# Altium PCB Forno.PcbDoc (part 1 of 2) (continued)
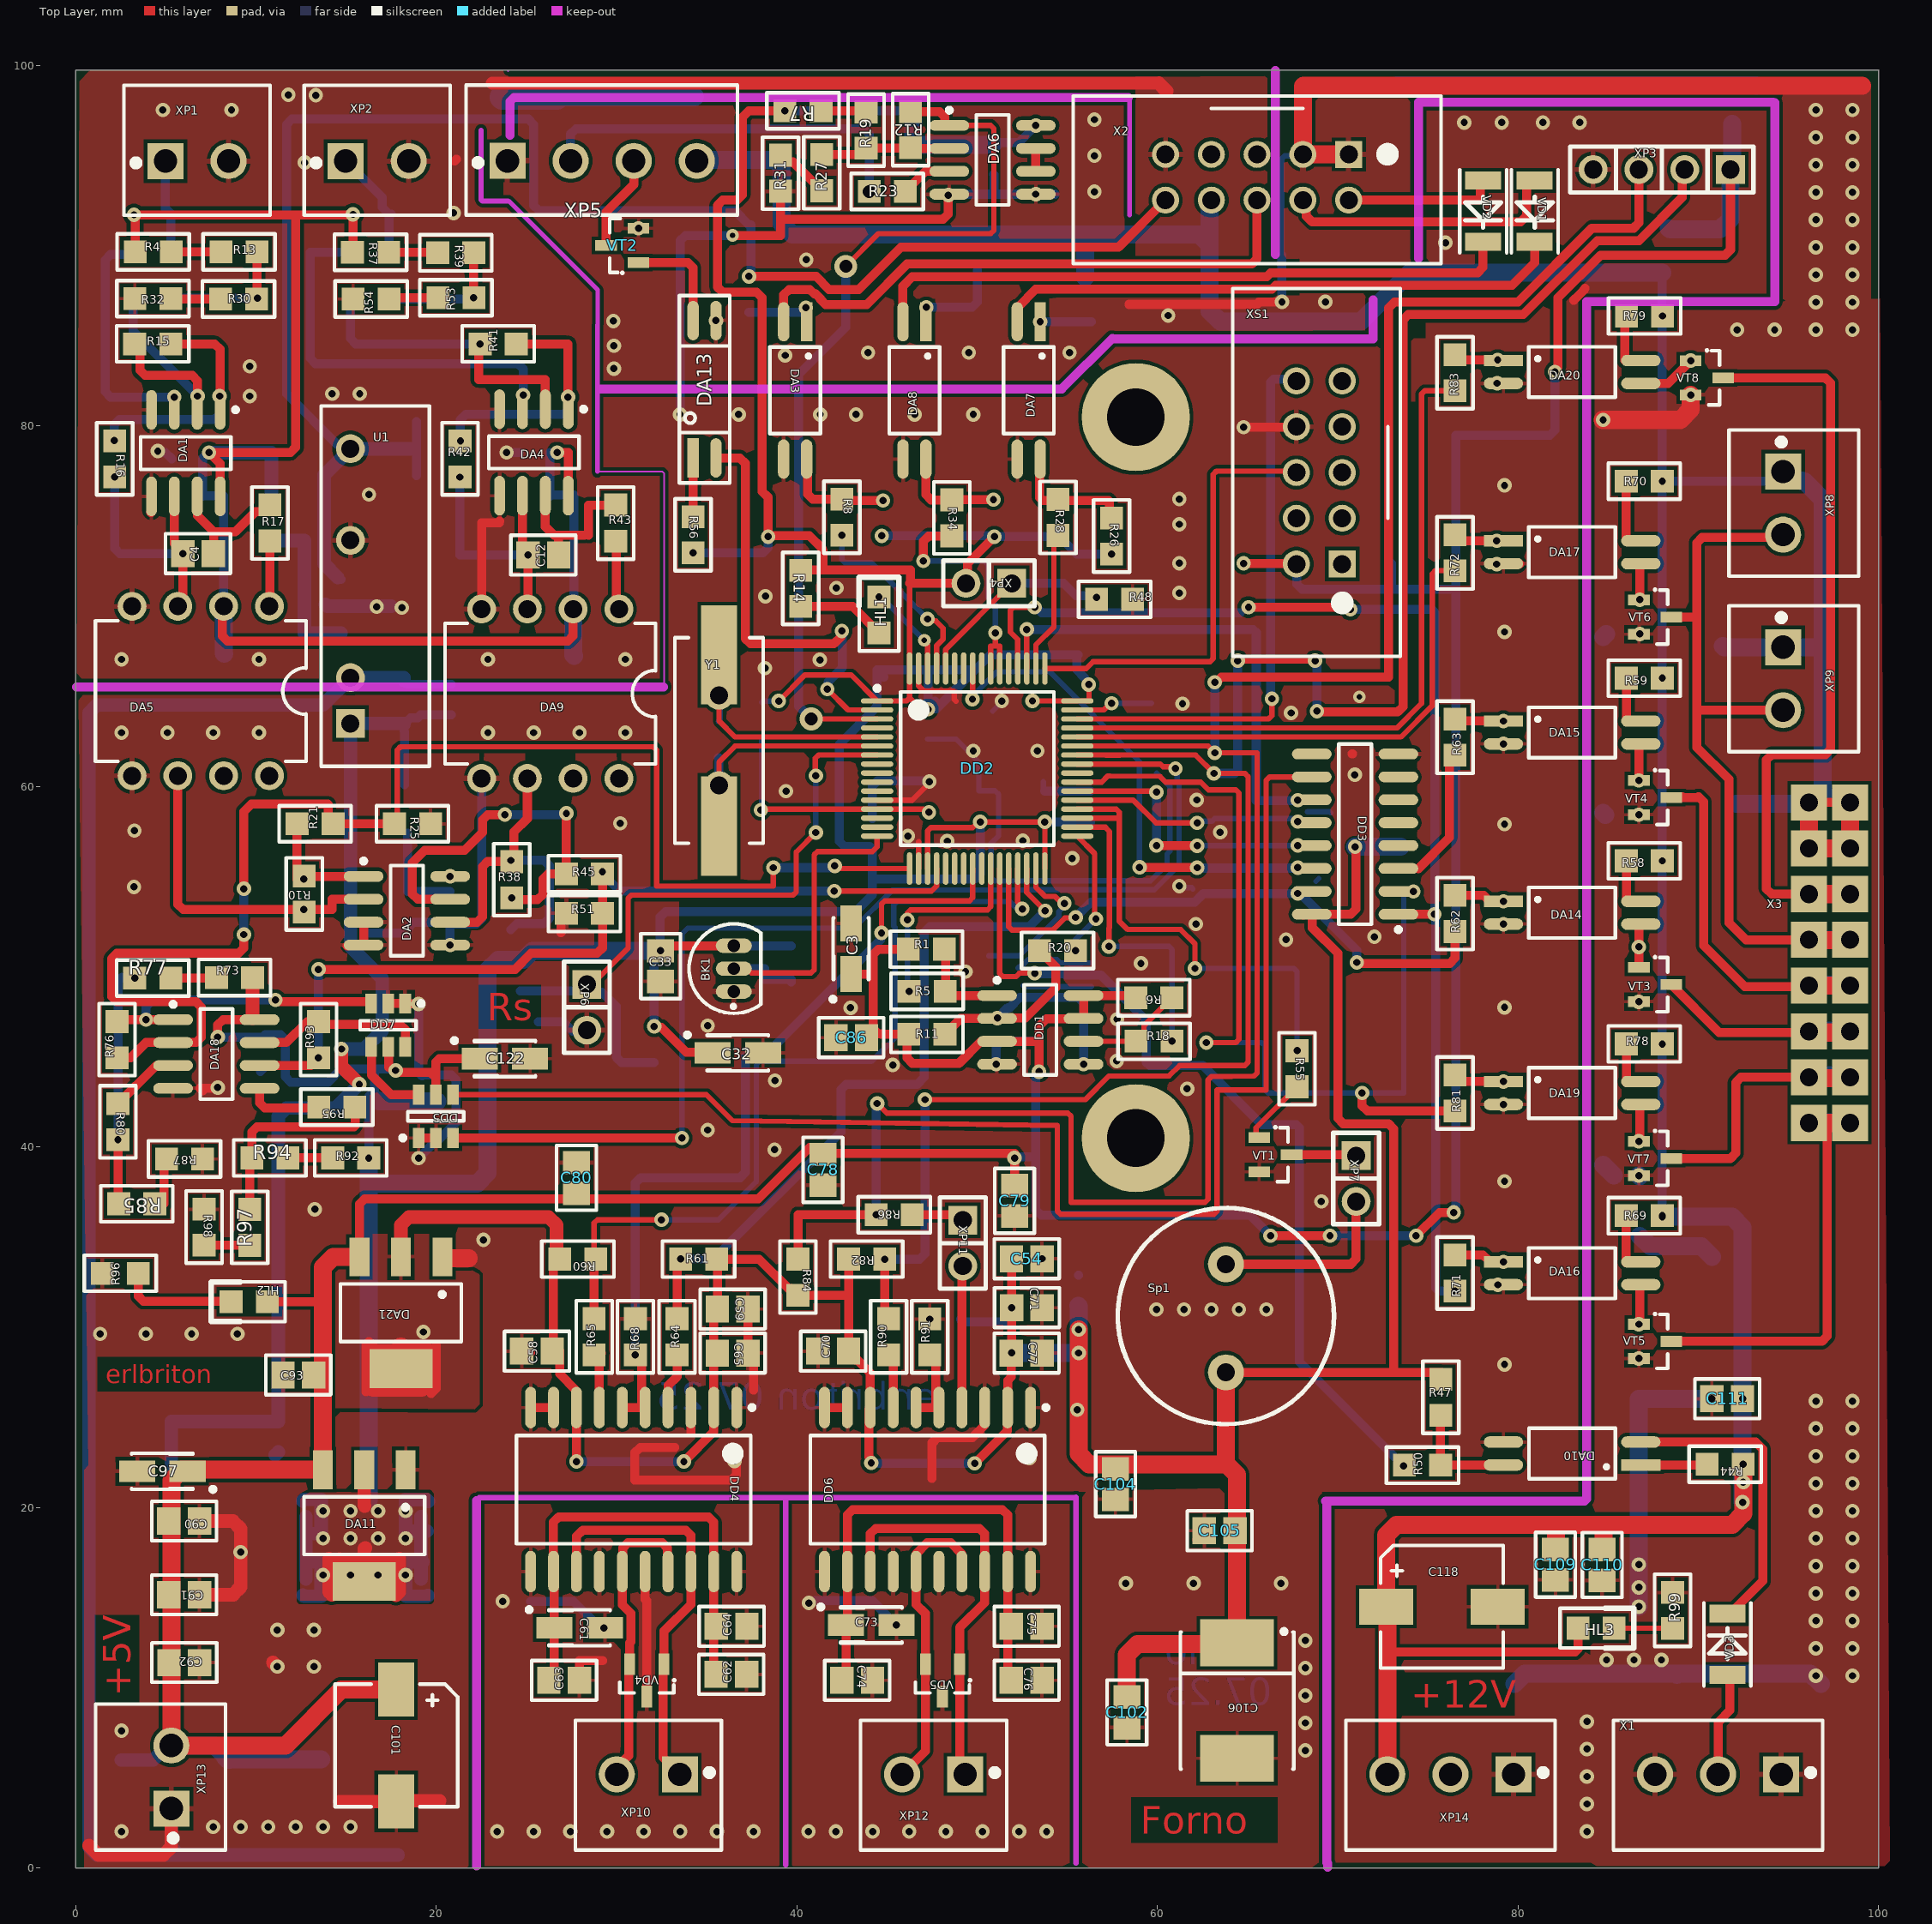
[diagram p0: Top Layer view]
## Footprints (in the part's own frame and the unit in brackets; to place one, negate y for a bottom-side part, rotate by r counter-clockwise, add the part's x,y. Pads: shape width x height; smd on the part's side, far side on the other; paste and mask are expansions set on the pad)
6.3D [mm]
  rect 3x2 smd: 1(-3.1,0) 2(3.1,0)
  silkscreen extent -3.4,-3.4 3.4,3.4, body extent -3.5,-3.3 3.5,3.3, height 5.4
15EDGVC-3.5-02P [mm]
  rect 2x2 hole 1.3: 1(-1.75,0)
  round 2 hole 1.3: 2(1.75,0)
  silkscreen extent -4.05,-3 4.05,4.2, body extent -3.9,-3 3.9,4.2, height 9.21
15EDGVC-3.5-03P-2 [mm]
  rect 2x2 hole 1.3: 1(-1.75,0)
  round 2 hole 1.3: 2(1.75,0) 3(5.25,0)
  silkscreen extent -4.05,-3 7.55,4.2, body extent -3.9,-6.34 7.4,4.77, height 18.12
15EDGVC-3.5-04P [mm]
  rect 2x2 hole 1.3: 1(0,0)
  round 2 hole 1.3: 2(3.5,0) 3(7,0) 4(10.5,0)
  silkscreen extent -2.3,-3 12.75,4.2, body extent -2.15,-6.34 12.6,4.77, height 18.12
0805 [mm]
  rect 1.27x1.27 smd: 1(-1,0) 2(1,0)
  silkscreen extent -2,-1 2,1, body extent -1,-0.6 1,0.6, height 0.95
cap0805 [mm]
  rect 1.3x1.5 smd: 1(-0.85,0) 2(0.85,0)
  silkscreen extent -1.8,-1.1 1.8,1.1, body extent -1,-0.62 1,0.63, height 0.61
DIP8 [mm]
  round 1.6 hole 1: 1(-3.81,-4.699) 2(-1.27,-4.699) 3(1.27,-4.699) 4(3.81,-4.699) 5(3.81,4.699) 6(1.27,4.699) 7(-1.27,4.699) 8(-3.81,4.699)
  silkscreen extent -5.84,-3.9 5.84,3.9, body extent -5.5,-5.2 5.5,5.2, height 4.64
IDC-10 [mm]
  rect 1.5x1.5 hole 1: 1(-5.08,-1.27)
  round 1.5 hole 1: 2(-5.08,1.27) 3(-2.54,-1.27) 4(-2.54,1.27) 5(0,-1.27) 6(0,1.27) 7(2.54,-1.27) 8(2.54,1.27) 9(5.08,-1.27) 10(5.08,1.27)
  silkscreen extent -10.2,-4.5 10.2,4.8, body extent -10.2,-4.45 10.2,4.9, height 9.35
Led0805 [mm]
  rect 1.27x1.27 smd: 1(-1,0) 2(1,0)
  silkscreen extent -2,-1.1 2.1,1.1, body extent -1.01,-0.62 1.01,0.62, height 1.11
LQFP64 [mm] "Thin QFP, 64-Leads, Body 10x10mm, Pitch 0.5mm, IPC Medium Density"
  oval 1.8x0.3 smd: 1(-5.55,3.75) 2(-5.55,3.25) 3(-5.55,2.75) 5(-5.55,1.75) 6(-5.55,1.25) 7(-5.55,0.75) 8(-5.55,0.25) 9(-5.55,-0.25) 10(-5.55,-0.75) 11(-5.55,-1.25) 12(-5.55,-1.75) 13(-5.55,-2.25) 14(-5.55,-2.75) 15(-5.55,-3.25) 16(-5.55,-3.75) 33(5.55,-3.75) 34(5.55,-3.25) 35(5.55,-2.75) 36(5.55,-2.25) 37(5.55,-1.75) 38(5.55,-1.25) 39(5.55,-0.75) 41(5.55,0.25) 42(5.55,0.75) 43(5.55,1.25) 44(5.55,1.75) 45(5.55,2.25) 46(5.55,2.75) 47(5.55,3.25) 48(5.55,3.75) " 40"(5.55,-0.25)
  oval 1.8x0.28 smd: 4(-5.55,2.25)
  oval 0.3x1.8 smd: 17(-3.75,-5.55) 18(-3.25,-5.55) 19(-2.75,-5.55) 20(-2.25,-5.55) 21(-1.75,-5.55) 22(-1.25,-5.55) 23(-0.75,-5.55) 24(-0.25,-5.55) 25(0.25,-5.55) 26(0.75,-5.55) 27(1.25,-5.55) 28(1.75,-5.55) 29(2.25,-5.55) 30(2.75,-5.55) 31(3.25,-5.55) 32(3.75,-5.55) 49(3.75,5.55) 50(3.25,5.55) 51(2.75,5.55) 52(2.25,5.55) 53(1.75,5.55) 54(1.25,5.55) 55(0.75,5.55) 56(0.25,5.55) 57(-0.25,5.55) 58(-0.75,5.55) 59(-1.25,5.55) 60(-1.75,5.55) 61(-2.25,5.55) 62(-2.75,5.55) 63(-3.25,5.55) 64(-3.75,5.55)
  silkscreen extent -5.67,-4.25 4.25,4.57, body extent -6,-6 6,6, height 1.6
Pl_connect [mm]
  rect 2x2 hole 1: 1(-1.143,0) 2(1.143,0) 3(-1.143,2.54) 4(1.143,2.54) 5(-1.143,5.08) 6(1.143,5.08) 7(-1.143,7.62) 8(1.143,7.62) 9(-1.143,10.16) 10(1.143,10.16) 11(-1.143,12.7) 12(1.143,12.7) 13(-1.143,15.24) 14(1.143,15.24) 15(-1.143,17.78) 16(1.143,17.78)
PLS2 [mm]
  rect 1.6x1.6 hole 1: 1(0,-1.27)
  round 1.6 hole 1: 2(0,1.27)
  silkscreen extent -1.27,-2.54 1.27,2.53, body extent -1.27,-2.54 1.27,2.54, height 8.54
PLS4 [mm]
  rect 1.6x1.6 hole 1: 1(0,-3.81)
  round 1.6 hole 1: 2(0,-1.27) 3(0,1.27) 4(0,3.81)
  silkscreen extent -1.27,-5.08 1.27,5.08, body extent -1.27,-5.08 1.27,5.08, height 8.44
res0805 [mm]
  rect 1.27x1.27 smd: 1(-1,0) 2(1,0)
  silkscreen extent -2,-1 2,1, body extent -1,-0.63 1,0.62, height 0.61
SIP7S [mm]
  rect 1.6x1.6 hole 1: 1(-7.62,1.778)
  round 1.6 hole 1: 2(-5.08,1.778) 3(2.54,1.778) 4(7.62,1.778)
  silkscreen extent -10,-2.6 10,3.4, body extent -10,-2.6 10,3.4, height 9.31
SO-8 [mm] "8-Pin Small Outline Integrated Circuit 1.27 mm Pitch, IPC Medium Density"
  oval 2.2x0.6 smd: 1(-2.4,1.905) 2(-2.4,0.635) 3(-2.4,-0.635) 4(-2.4,-1.905) 5(2.4,-1.905) 6(2.4,-0.635) 7(2.4,0.635) 8(2.4,1.905)
  silkscreen extent -2.52,-2.5 0.9,2.88, body extent -3,-2.45 3,2.45, height 1.6
SO-8_N [mm] "8-Pin Small Outline Integrated Circuit 1.27 mm Pitch, IPC Medium Density"
  oval 2.2x0.6 smd: 1(-2.4,1.905) 2(-2.4,0.635) 3(-2.4,-0.635) 4(-2.4,-1.905) 5(2.4,-1.905) 6(2.4,-0.635) 7(2.4,0.635) 8(2.4,1.905)
  silkscreen extent -2.52,-2.5 0.9,2.88, body extent -1.95,-2.45 1.95,2.45, height 1.75
SO-16 [mm] "16-Pin Small Outline Integrated Circuit 1.27 mm Pitch, IPC Medium Density"
  oval 2.2x0.6 smd: 1(-2.4,4.445) 2(-2.4,3.175) 3(-2.4,1.905) 4(-2.4,0.635) 5(-2.4,-0.635) 6(-2.4,-1.905) 7(-2.4,-3.175) 8(-2.4,-4.445) 9(2.4,-4.445) 10(2.4,-3.175) 11(2.4,-1.905) 12(2.4,-0.635) 13(2.4,0.635) 14(2.4,1.905) 15(2.4,3.175) 16(2.4,4.445)
  silkscreen extent -2.53,-5 0.9,5.42, body extent -3,-4.95 3,4.95, height 1.4
SO-20_N [mm] "20-Pin Small Outline Integrated Circuit (SOIC20), IPC Medium Density"
  oval 2.3x0.6 smd: 1(-4.55,5.715) 2(-4.55,4.445) 3(-4.55,3.175) 4(-4.55,1.905) 5(-4.55,0.635) 6(-4.55,-0.635) 7(-4.55,-1.905) 8(-4.55,-3.175) 9(-4.55,-4.445) 10(-4.55,-5.715) 11(4.55,-5.715) 12(4.55,-4.445) 13(4.55,-3.175) 14(4.55,-1.905) 15(4.55,-0.635) 16(4.55,0.635) 17(4.55,1.905) 18(4.55,3.175) 19(4.55,4.445) 20(4.55,5.715)
  silkscreen extent -4.67,-6.5 3,6.69, body extent -3.75,-6.4 3.75,6.4, height 2.65
SOD80 [mm]
  rect 1x2 smd: 1(-1.7,0) 2(1.7,0)
  silkscreen extent -2.3,-1.3 2.3,1.3, body extent -1.85,-0.8 1.85,0.8, height 1.6
SOP4 [mil] "SSOP4"
  rect 24.96x86 smd: 1(-25,-150)
  oval 24.96x86 smd: 2(25,-150) 3(25,150) 4(-25,150)
  silkscreen extent -55,-95 55,94, body extent -55,-138 55,138, height 83
SOT23 [mm]
  rect 1.2x0.6 smd: 1(-0.9,0.95) 2(-0.9,-0.95) 3(0.9,0)
  silkscreen extent 0,-1.5 0.7,1.53, body extent -1.25,-1.5 1.25,1.5, height 1.06
SOT23-6 [mm] "SOT23, 5-Leads, Body 2.9x1.6mm, Pitch 0.95mm, Lead Span 2.8mm, IPC Medium Density"
  rect 1.1x0.65 smd: 1(-1.2,0.95) 2(-1.2,0) 3(-1.2,-0.95) 4(1.2,-0.95) 5(1.2,0) 6(1.2,0.95)
  silkscreen extent -1.32,-1.55 0.25,1.95, body extent -1.21,-1.4 1.21,1.4, height 1.09
SOT89 [mm] "SOT-89; Body 4.6 x 4.25 mm, inc. leads (LxW max)"
  oct 1.9x3.3 smd: 0(0,1.388)
  rect 0.7x1.35 smd: 1(-1.5,-1.388) 3(1.5,-1.388)
  rect 0.7x1.8 smd: 2(0,-1.162)
  silkscreen extent -2.5,-2.51 2.5,3.49, body extent -2.25,-1.51 2.25,2.49, height 1.51
SOT223 [mm] "SOT-223/SC-73; 4 Leads; Body 6.7 x 7.3 mm, inc. leads (LxW max)"
  rect 1.1x2.15 smd: 1(-2.3,-3.1) 2(0,-3.1) 3(2.3,-3.1)
  rect 3.5x2.15 smd: 4(0,3.1)
  silkscreen extent -3.35,-1.6 3.35,1.6, body extent -3.25,-3.48 3.25,3.48, height 1.69
Speaker [mm]
  round 2 hole 1: 1(0,3) 2(0,-3)
  silkscreen extent -6,-5.87 5.99,6.13
TC3216-1206-A [mm] "Capacitor, SM Tantalum; Body 3.2 x 1.6 mm (LxW typ)"
  rect 2x1.2 smd: 1(-1.4,0) 2(1.4,0)
  silkscreen extent -2.93,-1 1.7,1.12, body extent -1.6,-0.8 1.6,0.8, height 1.62
TC7360-2924-E [mm] "Capacitor, SM Tantalum; Body 7.3 x 6.0 mm (LxW typ)"
  rect 2.6x4.1 smd: 1(-3.2,0) 2(3.2,0)
  silkscreen extent -3.95,-3.15 3.8,3.15, body extent -3.65,-2.15 3.65,2.15, height 4.12
TO-92 [mm]
  oval 2x0.8 hole 0.7: 1(0,-1.27) 2(0,0) 3(0,1.27)
  silkscreen extent -2.48,-2.48 1.5,2.48, body extent -2.22,-2.38 1.41,2.38, height 5.74
XT49M [mm]
  round 1.6 hole 1: 1(2.5,0) 2(-2.5,0)
  rect 5.5x2 smd: 1(4.75,0) 2(-4.75,0)
  silkscreen extent -5.7,-2.45 5.7,2.45, body extent -6.4,-2.41 6.4,2.41, height 4.31

## Part data
BK1: "Датчик Далласа", Package=TO-92, Group=Микросхемы, HelpURL=\DATA\DS18B20.pdf, NPads=3, Part Number=DS18B20, SType=TH, ValueSCH=DS18B20
C1 C3 C5 C7 C9 C14 C23 C27 C28 C30 C32 C34 C60 C61 C72 C73 C97 C107 C108 C119 C121 C122 C123: library part capA, "Танталовый конденсатор, SMD", Package="SMD A", Group=Конденсаторы, NPads=2, Part Number=capA, SType=SMD
  C1 C3 C5 C9 C14 C23 C27 C28 C30 C32 C34 C60 C61 C72 C73 C97 C107 C108 C119 C121 C122 C123: ValueSCH=6.8uF
  C7: ValueSCH=6,8uF
C2 C4 C6 C8 C10 C11 C12 C13 C15 C16 C17 C18 C19 C20 C21 C22 C24 C25 C26 C29 C31 C33 C35 C36 C37 C38 C39 C40 C41 C42 C43 C44 C45 C46 C47 C48 C49 C50 C51 C52 C53 C54 C55 C56 C57 C58 C59 C62 C63 C64 C65 C66 C67 C68 C69 C70 C71 C74 C75 C76 C77 C78 C79 C80 C81 C82 C83 C84 C85 C86 C87 C88 C89 C90 C91 C92 C93 C94 C95 C96 C98 C99 C100 C102 C103 C104 C105 C109 C110 C111 C112 C113 C114 C115 C116 C117 C120: library part cap0805, "Керамический конденсатор, SMD", Package="SMD 0805", Group=Конденсаторы, NPads=2, Part Number=cap0805, SType=SMD
  C2 C4 C10 C12: ValueSCH=100pF
  C6 C18 C19 C20 C21 C22 C25 C33 C36 C37 C38 C39 C40 C41 C42 C43 C44 C45 C46 C47 C48 C49 C50 C51 C52 C53 C54 C55 C56 C57 C58 C59 C62 C63 C66 C67 C68 C69 C70 C71 C74 C75 C78 C79 C80 C81 C82 C83 C84 C85 C86 C87 C88 C89 C90 C91 C92 C93 C95 C96 C98 C100 C102 C105 C109 C110 C111 C112 C113 C114 C115 C116 C117: ValueSCH=100n
  C8 C24 C26 C29 C31 C35 C120: ValueSCH=0.1uF
  C11 C13: ValueSCH="20 pF"
  C15 C16: ValueSCH=2.2uF
  C17: ValueSCH="100 nF"
  C64 C65 C76 C77 C94 C99 C103 C104: ValueSCH=10n
C101 C118: library part UCD1V101MCL6GS, "Алюминиевый конденсатор 6.3mm", Package="Can - SMD", Group=Конденсаторы, NPads=2, Part Number=UCD1V101MCL6GS, SType=SMD, ValueSCH=220uF
C106: library part capE, "Танталовый конденсатор, SMD", Package="SMD E", Group=Конденсаторы, NPads=2, Part Number=capE, SType=SMD, ValueSCH=100uF
DA1 DA2 DA4 DA6 DA18: "Операционный усилитель 2 в 1", Package=SO-8, Group=Микросхемы, NPads=8, Part Number=AD8602ARZ, SType=SMD, ValueSCH=AD8602ARZ
DA3 DA7 DA8 DA10 DA13 DA14 DA15 DA16 DA17 DA19 DA20: "Оптопара", Package=SOP4, Group=Микросхемы, HelpURL=\DATA\PS2801.pdf, NPads=4, Part Number=PS2801, SType=SMD, ValueSCH=PS2801
DA5 DA9: "Аналоговый оптрон прецизионный", Package=SOP-8, Group=Микросхемы, NPads=8, Part Number=HCNR200-000E, SType=TH, ValueSCH=HCNR200-000E
DA11 DA21: "Линейный стабилизатор 3.3V", Package=SOT223, Analog=SPX1117M3L-3.3, Group=Микросхемы, HelpURL=\DATA\LM1117.pdf, NPads=4, Part Number=LM1117MP-3.3, SType=SMD, ValueSCH=LM1117MP-3.3
DA12: "Линейный стабилизатор 3.3V", Package=SOT89, Group=Микросхемы, NPads=4, Part Number=L78L33ACUTR, SType=SMD, ValueSCH=L78L33ACUTR
DD1: library part FM25040S
DD2: "Микроконтроллер 32 бит CORTEX M4", Package=LQFP64, Group=Микросхемы, NPads=64, Part Number=STM32F405RGT6, SType=SMD, ValueSCH=STM32F405RGT6
DD3: "3-х разрядный сдвиговый регистр", Package=SO-16, Group=Микросхемы, NPads=16, Part Number=MC74HC595AD, SType=SMD, ValueSCH=MC74HC595AD
DD4 DD6: "Трансивер RS-485 / RS-422", Package=SO-20, Group=Микросхемы, HelpURL=\DATA\ADM2587E.pdf, NPads=20, Part Number=ADM2587E, SType=SMD, ValueSCH=ADM2587E
DD5 DD7: library part SN74LVC1G11DBVR, "Блок одиночный 3И", Package=SOT23-6, Group=Микросхемы, NPads=6, Part Number=SN74LVC1G11DBVR, SType=SMD, ValueSCH=SN74LVC1G97
HL1: "SMD светодиод зеленый", Package="SMD 0805", Group=Диоды, NPads=2, Part Number=KP-2012SGC, SType=SMD, ValueSCH=KP-2012SGC
HL2 HL3: "SMD светодиод красный", Package="SMD 0805", Group=Диоды, NPads=2, Part Number=KP-2012SRC, SType=SMD, ValueSCH=KP-2012SRC
L1 L2 L3: library part L0805, "Чип-индуктивность, SMD", Package="SMD 0805", NPads=2, Part Number=L0805, SType=SMD, ValueSCH=0.47uH
  L1: Group=Индукивности
  L2 L3: Group=Индуктивности
R1 R2 R3 R4 R5 R6 R7 R8 R9 R10 R11 R12 R13 R14 R15 R16 R17 R18 R19 R20 R21 R22 R23 R24 R25 R26 R27 R28 R29 R30 R31 R32 R33 R34 R35 R36 R37 R38 R39 R40 R41 R42 R43 R44 R45 R46 R47 R48 R49 R50 R51 R52 R53 R54 R55 R56 R57 R58 R59 R60 R61 R62 R63 R64 R65 R66 R67 R68 R69 R70 R71 R72 R73 R74 R75 R76 R77 R78 R79 R80 R81 R82 R83 R84 R85 R86 R87 R88 R89 R90 R91 R92 R93 R94 R95 R96 R97 R98 R99: library part res0805, "Резистор 0.125 W, SMD", Package="SMD 0805", Group=Резисторы, NPads=2, Part Number=res0805, SType=SMD
  R1 R6 R11 R57 R60 R61 R68 R82 R84 R91: ValueSCH=4.7k
  R2 R3 R26 R29 R33 R35 R36 R44 R47 R58 R59 R66 R67 R69 R70 R74 R75 R78 R79 R88 R89: ValueSCH=1k
  R4 R37: ValueSCH=4k
  R5 R17 R18 R20 R43 R64 R65 R86 R90: ValueSCH=100
  R7 R19 R27 R73 R77 R85 R92 R94 R97: ValueSCH=2.4k
  R8 R9 R28 R34 R50 R96: ValueSCH=470
  R10 R38: ValueSCH=150k
  R13 R39: ValueSCH=600
  R14: ValueSCH=300
  R15 R41: ValueSCH=51k
  R16 R42: ValueSCH=100k
  R22 R24 R46 R49: ValueSCH=10k
  R23 R80 R95: ValueSCH=39k
  R30 R53: ValueSCH=7.5k
  R31 R87 R98: ValueSCH=3.3k
  R32 R54: ValueSCH=0
  R40: ValueSCH=1M
  R48 R52: HelpURL=C:\intmash\DBLIB2\DATASHEETS\Resistors\passive09-resistors-smd.pdf, ValueSCH=10k
  R55: HelpURL=C:\intmash\DBLIB2\DATASHEETS\Resistors\passive09-resistors-smd.pdf, ValueSCH=1k
  R56 R62 R63 R71 R72 R81 R83: ValueSCH=330
  R99: ValueSCH=2k
U1: "Преобразователь 1Вт 5В ->5В", Package=SIP7, Group=Микросхемы, NPads=4, Part Number=AM1D-0505SH30N, SType=TH, ValueSCH=AM1D-0505SH30N
VD1 VD2 VD3: library part TZMC13, "Стабилитрон 13V", Package=SOD80, Analog="ZMM13, BZV55C13", Group=Диоды, HelpURL=\DATA\tzmc13.pdf, NPads=2, Part Number=TZMC13, SType=SMD, ValueSCH=TZMC4V7
VD4 VD5: "TVS диодная сборка 2 в 1", Package=SOT23-3, Analog=F6450CT-ND, Group=Диоды, NPads=3, Part Number=SM712-02HTG, SType=SMD, ValueSCH=SM712-02HTG
VT1 VT2 VT3 VT4 VT5 VT6 VT7 VT8: "N-канальный MOSFET 30В 1.2А", Part Number=IRLML2803TR, ValueSCH=IRLML2803TR
X1 XP14: "Вилка на плату 3 конт. шаг 3.5мм", Group=Разъемы, NPads=3, Part Number=15EDGVC-3.5-03P, SType=TH, ValueSCH=15EDGVC-3.5-03P
X2 XS1: "Вилка на плату 5х2 контактов шаг 2.54мм", Group=Разъемы, NPads=10, Part Number=IDC-10, SType=TH, ValueSCH=IDC-10
X3: "Розетка на плату 8х2 контактов.2,54 х 2,54 мм", Group=Разъемы, NPads=16, Part Number=PBD-16, SType=TH, ValueSCH=PBD-16
XP1 XP2 XP8 XP9 XP10 XP12 XP13: "Вилка на плату 2 конт. шаг 3.5мм", Group=Разъемы, NPads=2, Part Number=15EDGVC-3.5-02P, SType=TH, ValueSCH=15EDGVC-3.5-02P
  XP8 XP9: AddToBOM=15EDGK-3.5-02P
XP3: "Однорядный штыревой разъем 4 шаг 2.54мм", ValueSCH=PLS-4
XP4 XP6 XP7 XP11: "Однорядный штыревой разъем 2 шаг 2.54мм", ValueSCH=PLS-2
  XP11: Group=Разъемы, NPads=2, Part Number=PLS-2, SType=TH
XP5: "Вилка на плату 4 конт. шаг 3.5мм", Group=Разъемы, NPads=4, Part Number=15EDGVC-3.5-04P, SType=TH, ValueSCH=15EDGVC-3.5-04P
Y1: library part HC-49/U-S, "Кварцевый осциллятор 3.2 - 60 MHz", Group=Резонаторы, HelpURL=\DATA\HC-49.pdf, NPads=2, Part Number=HC-49/U-S, SType=TH, ValueSCH=8MHz

## Free pads (board coordinates)
  round 6 hole 3.2: ""(58.8,40.5) ""(58.8,80.5)

## Via types
v1: diameter 0.8, hole 0.4, Top Layer to Bottom Layer, tented both sides, 419 vias
v2: diameter 1.27, hole 0.711, Top Layer to Bottom Layer, tented both sides, 3 vias
v3: diameter 0.7, hole 0.3, Top Layer to Bottom Layer, tented both sides, 3 vias

## Nets (pads, with @x,y where several pads share a name; then routed paths per layer and width w, separated by ;. In a path a pad name is that pad's centre, name@x,y a point inside that pad or via, vN(x,y) a via of type N, cw(c..) or ccw(c..) an arc to the next point about the centre after c; other vN are vias at no path point)
3.3AV: C1.1 C9.1 C28.1 C29.2 C34.1 C35.2 DA1.8 DA4.8 DA5.2 DA9.2 L3.2 R3.2 R4.2 R36.2 R37.2 | length 94.7
  Top Layer w0.5: R4.2@3.293,89.662 3.293,91.571 3.226,91.638 v1(3.226,91.719) 15.348,91.719 v1(15.374,91.745) 15.374,89.459 R37.2@15.399,89.459 ; DA1.8@8.005,76.1 8.005,77.923 v1(7.391,78.537) 11.899,78.537 12.192,78.83 12.192,91.44 ; DA5.2@8.2,69.998 8.128,69.926 8.128,68.365 8.421,68.072 27.295,68.072 27.588,68.365 DA9.2@27.588,69.85 ; v1(26.698,78.537) 27.315,78.537 DA4.8@27.315,76.137
  Bottom Layer w0.5: C29.2@7.022,76.098 C29.2@7.022,76.124 ; v1(7.391,78.537) 7.372,78.537 7.022,78.187 C29.2@7.022,76.124 ; DA5.2@8.2,69.998 8.2,76.124 C29.2@7.022,76.124 ; L3.2@10.77,75.651 L3.2@10.846,75.651 ; C35.2@26.301,76.098 C35.2@26.301,76.175 ; v1(26.698,78.537) 26.301,78.537 C35.2@26.301,76.175 ; DA9.2@27.588,69.85 27.635,69.85 27.635,76.175 C35.2@26.301,76.175
  Bottom Layer w0.75: C28.1@7.471,78.527 10.846,78.527 L3.2@10.846,75.651
  Bottom Layer w1: DA5.2@8.2,69.998 8.2,67.393 C9.1@8.233,67.361 ; DA9.2@27.588,69.85 27.588,67.288 C1.1@27.632,67.244
3.3V: BK1.3 C7.1 C8.1 C19.1 C20.1 C21.1 C22.1 C32.1 C33.1 C36.2 C37.2 C38.2 C39.2 C40.2 C41.2 C42.2 C43.2 C44.2 C45.1 C46.1 C47.1 C48.1 C49.1 C50.1 C51.1 C119.1 C120.1 C121.1 C122.1 C123.1 DA6.8 DA11.2 DA11.4 DA18.8 DD2.1 DD2.19 DD2.32 DD2.48 DD2.64 DD5.5 DD7.5 L1.1 R2.2 R7.2 R14.1 R26.2 R33.2 R52.1 R56.2 R57.2 R73.2 R92.2 XP4.2 | length 305.6
  Top Layer w0.3: v1(38.989,64.745) 40.437,66.192 43.008,66.192 DD2.1@44.45,64.75 46.078,64.75 46.253,64.926 ; 46.25,71.272 DD2.64@46.25,66.55 46.25,65.133 46.253,65.13 46.253,64.926 ; DD2.19@47.25,55.45 47.25,57.547 47.426,57.722 49.739,57.722 50.056,58.039 v1(50.165,58.039) v1(53.746,58.039) 53.75,58.035 DD2.32@53.75,55.45 ; v1(47.269,64.287) 47.174,64.383 46.796,64.383 46.253,64.926 ; v1(53.066,64.75) DD2.48@55.55,64.75 56.204,64.75 56.204,65.64 v1(56.185,65.659)
  Top Layer w0.5: v1(7.874,46.104) 7.874,46.773 8.167,47.066 DA18.8@10.198,47.066 ; DD7.5@17.323,45.561 17.362,45.523 17.362,44.438 17.399,44.4 17.512,44.4 17.662,44.25 v1(17.743,44.25) ; v1@17.654,44.145 19.672,44.145 19.964,43.852 ; DD5.5@19.964,42.907 19.964,43.852 ; C122.1@22.4,44.907 20.168,44.907 19.964,44.704 19.964,43.852 ; v1(32.08,46.695) 32.138,46.637 32.484,46.637 33.863,45.258 35.285,45.258 C32.1@35.321,45.222 ; C33.1@32.436,50.659 32.536,50.659 33.046,51.17 BK1.3@36.5,51.17 ; v1(38.405,73.863) 38.405,76.048 38.075,76.378 38.075,87.122 37.77,87.427 35.878,87.427 35.585,87.72 35.585,92.239 35.878,92.532 36.678,92.532 36.982,92.837 36.982,97.13 37.338,97.485 v1(39.335,97.485) ; v1@38.659,73.923 40.691,73.923 41.409,73.205 41.409,73.118 41.437,73.09 41.437,72.048 41.463,72.022 ; R14.1@40.208,71.993 40.238,72.022 41.463,72.022 ; v1(50.952,73.863) 49.466,72.376 49.466,71.36 XP4.2@49.378,71.272 46.25,71.272 46.308,71.33 46.308,72.022 41.463,72.022
  Top Layer w0.75: DA18.8@9.804,47.141 R73.2@9.804,49.403 ; 14.05,17.175 14.05,16.256 14.05,15.312 14.199,15.164 ; 14.63,17.145 14.707,17.069 16,17.069 ; DA11.4@16,15.9 16,17.069 ; DA11.2@16,22.1 16,20.119 16.027,20.091 ; 16.053,17.755 16,17.702 16,17.069 ; 17.424,17.12 17.399,17.12 17.348,17.069 16,17.069 ; 17.755,15.138 17.95,15.334 17.95,16.256 17.95,17.175
  Bottom Layer w0.3: L1.1@38.049,64.668 38.125,64.745 v1(38.989,64.745) ; C36.2@55.524,67.248 C36.2@55.587,67.31 ; 55.96,66.036 55.96,66.019 56.185,65.794 v1(56.185,65.659)
  Bottom Layer w0.5: v1(7.874,46.104) C120.1@10.372,46.104 ; C120.1@10.414,46.062 C120.1@10.372,46.104 ; v1(16.249,39.395) 16.249,42.809 16.573,43.133 16.573,44.247 ; v1(17.743,44.25) 17.685,44.308 17.473,44.308 17.446,44.335 14.72,44.335 13.989,43.604 11.907,43.604 11.614,43.897 11.614,45.968 11.354,46.228 10.496,46.228 C120.1@10.372,46.104 ; v1(32.08,46.695) 32.08,50.451 v1@32.436,50.807 ; v1(32.436,50.888) 32.42,50.904 32.42,52.768 32.713,53.061 43.246,53.061 44.175,53.99 C40.2@44.175,56.519 44.026,56.667 42.635,56.667 42.342,56.96 42.342,62.332 44.45,64.44 C37.2@44.45,66.458 ; v1(34.239,72.965) 38.112,72.965 38.394,73.247 38.394,73.853 v1(38.405,73.863) ; BK1.3@36.5,51.17 39.675,51.17 R57.2@39.675,51.165 ; v1(39.335,97.485) 46.66,97.485 ; 44.463,54.864 49.872,54.864 50.165,55.157 v1(50.165,58.039) ; v1(44.704,73.914) R2.2@44.755,73.914 50.902,73.914 v1(50.952,73.863) 54.559,73.863 55.524,72.898 v1(57.455,72.898) ; C37.2@44.834,66.074 C37.2@44.45,66.458 ; C19.1@47.244,64.338 C19.1@47.644,64.738 ; v1(47.269,64.287) 47.269,66.397 47.346,66.474 47.269,66.474 ; C19.1@47.714,64.3 50.724,67.31 C36.2@55.587,67.31 ; 49.689,66.474 47.269,66.474 ; C8.1@50.902,95.668 50.964,95.731 52.309,95.731 v1(53.251,96.672) ; v1(53.746,58.039) 56.294,58.039 C42.2@56.296,58.041 ; C36.2@55.524,67.248 55.524,66.472 55.96,66.036 ; C37.2@44.45,66.458 C37.2@44.434,66.474 47.269,66.474
  Bottom Layer w0.75: 12.573,20.371 12.659,20.457 13.613,20.457 13.613,18.405 13.716,18.302 v1(13.716,18.288) 13.702,18.288 13.433,18.557 12.763,18.557 ; 12.598,15.138 12.659,15.077 13.613,15.077 13.613,16.027 13.613,16.977 12.763,16.977 ; C43.2@12.763,16.027 12.763,16.977 ; C44.2@12.763,19.507 12.763,18.557 ; v1(18.288,18.288) 18.288,18.694 ; 18.302,20.457 18.288,20.444 ; C51.1@19.152,16.027 19.152,16.977 ; C50.1@19.152,19.507 19.152,18.694 ; 19.252,16.977 19.152,16.977 ; 19.489,18.694 19.152,18.694 ; 19.533,15.113 19.497,15.077 18.302,15.077 18.302,16.977 19.152,16.977 ; 19.558,20.345 19.46,20.444 18.288,20.444 ; 12.763,16.977 12.763,18.557 ; 18.288,18.694 v1(18.288,19.812) 18.288,20.444 ; 18.288,18.694 19.152,18.694 ; 19.152,16.977 19.152,18.694
  Bottom Layer w1: 16.215,20.396 16.249,20.431 16.249,37.973 ; v1(16.249,39.395) 16.249,37.973 ; 16.708,42.619 16.785,42.542 C121.1@20.043,42.542 ; v1@32.436,50.759 32.436,50.807 v1(32.436,50.888) 25.338,50.888 24.844,50.394 23.43,50.394 22.844,49.808 22.844,38.559 22.259,37.973 16.249,37.973 ; 46.457,96.977 46.457,95.634 C7.1@46.482,95.609 50.842,95.609 C8.1@50.902,95.668
  other v1: 13.716,16.256 15.24,16.256 16.764,16.256 18.288,16.256 15.24,18.288 16.764,18.288 13.716,19.812 15.24,19.812 16.764,19.812
3.3VAC: C18.2 DD2.13 L1.2 | length 13.4
  Top Layer w0.3: v1@37.998,58.75 DD2.13@44.45,58.75 47.007,58.75 47.185,58.572 v1(47.32,58.572)
  Bottom Layer w0.3: v1@38.049,58.699 L1.2@38.049,62.668
  other v1: 37.998,58.699
5AV: C30.1 C31.2 DA12.3 R9.2 U1.4 X2.10 | length 93.6
  Top Layer w0.5: v1(37.338,88.3) 41.057,88.3 41.777,87.579 43.414,87.579 45.766,89.931 57.843,89.931 X2.10@60.445,92.533
  Bottom Layer w0.5: DA12.3@14.524,71.602 14.624,71.502 DA12.3@14.72,71.502 ; U1.4@15.234,78.74 15.024,78.95 14.522,78.95 11.684,81.788 11.684,96.735 11.977,97.028 25.107,97.028 25.4,96.735 25.4,92.241 25.693,91.948 36.56,91.948 37.338,91.17 ; C30.1@18.898,77.241 C31.2@18.898,80.239 ; R9.2@37.44,88.3 37.44,91.17
  Bottom Layer w0.75: DA12.3@14.524,71.602 13.781,72.345 13.781,77.287 U1.4@15.234,78.74 18.593,78.74
5V: C3.1 C14.1 C25.1 C26.2 C27.1 C78.2 C79.2 C80.2 C81.2 C82.2 C83.2 C84.2 C85.2 C86.2 C87.2 C88.2 C89.2 C90.2 C91.2 C92.2 C93.2 C94.2 C95.2 C96.2 C97.1 C98.1 C99.1 C100.1 C101.1 DA11.3 DA21.3 DD1.3 DD1.7 DD1.8 HL2.1 L2.1 R1.1 R6.2 R11.1 U1.1 XP3.1 XP13.2 XS1.2 | length 341.3
  Top Layer w0.5: HL2.1@10.617,31.42 13.522,31.42 13.7,31.242 ; DA21.3@15.734,33.91 15.734,36.842 16.027,37.135 37.858,37.135 40.703,39.98 41.437,39.98 41.767,39.649 52.07,39.649 v1(52.07,39.395) C79.2@52.07,37.87 ; C3.1@43,49.6 44.071,49.6 44.221,49.75 ; R1.1@46.184,50.978 44.514,50.978 44.221,50.685 44.221,49.75 ; v1(53.426,44.184) 53.426,45.865 ; R6.2@58.792,48.285 58.672,48.405 DD1.8@55.9,48.405 DD1.7@55.9,47.135 55.882,47.117 53.836,47.117 53.543,46.824 53.426,46.707 53.426,45.865 ; v1(64.78,72.378) 67.688,72.378 XS1.2@67.73,72.42 ; v1(66.269,35.077) v1(69.571,35.077) ; v1(74.346,35.077) 75.641,36.373 v1(76.429,36.373) ; v1(82.042,83.007) 82.042,83.088 82.22,83.266 82.22,87.122 84.582,89.484 91.49,89.484 91.783,89.777 XP3.1@91.783,94.23 ; 44.221,49.75 44.221,46.572 44.514,46.279 44.653,46.279 44.679,46.253 R11.1@46.209,46.253 46.101,46.145 46.101,44.946 46.394,44.653 48.997,44.653 50.189,45.846 51.081,45.846 DD1.3@51.1,45.865 53.426,45.865
  Top Layer w0.75: v1(14.732,45.441) 14.742,45.431 14.742,44.48 15.723,43.498 v1(15.723,43.485)
  Top Layer w1: DA21.3@15.734,33.91 14.286,33.91 13.7,33.324 13.7,31.242 DA11.3@13.7,22.1 5.886,22.1 5.3,21.514 XP13.2@5.3,6.8 11.626,6.8 14.733,9.907 C101.1@17.78,9.907
  Bottom Layer w0.5: L2.1@18.237,60.106 18.237,63.037 C27.1@18.212,63.062 18.212,63.462 18.562,63.812 18.962,63.812 19.12,63.971 C26.2@20.828,63.971 ; v1(52.07,39.395) 52.127,39.453 53.137,39.453 ; C87.2@53.25,43.764 53.25,36.513 53.543,36.22 65.126,36.22 v1(66.269,35.077) ; XS1.2@67.73,72.42 67.73,71.235 68.023,70.942 76.225,70.942 ; v1(69.571,35.077) v1(74.346,35.077) ; 72.973,71.12 72.973,72.367 C88.2@72.984,72.378 ; v1(76.429,36.373) 76.486,36.43 76.486,36.642 76.556,36.712 76.556,79.477 81.749,79.477 82.042,79.769 v1(82.042,83.007)
  Bottom Layer w0.75: C98.1@2.515,5.993 4.283,5.993 5.091,6.8 XP13.2@5.3,6.8 5.3,24.777 C25.1@11.227,24.777 11.227,41.707 11.684,42.164 14.402,42.164 v1(15.723,43.485) ; v1(14.732,45.441) 15.977,45.441 16.993,46.457 16.993,49.352 15.234,51.111 U1.1@15.234,63.5 18.212,63.5 C27.1@18.212,63.462
  Bottom Layer w1: XP13.2@5.3,6.8 7.699,6.8 8.284,6.214 8.284,6.156 8.434,6.006 C94.2@8.534,6.006 ; C94.2@8.534,6.032 C96.2@11.074,6.032 C95.2@13.614,6.032 ; C14.1@88.37,90.957 88.42,90.907 91.197,90.907 91.783,91.492 XP3.1@91.783,94.23 ; XP3.1@91.869,94.316 C85.2@91.869,96.758
12V: C107.1 C108.1 C109.1 C110.1 C111.1 C112.1 C113.1 C114.1 C115.1 C116.1 C117.1 C118.1 HL3.1 R29.2 R35.2 R44.1 R58.2 R59.2 R69.2 R70.2 R78.2 R79.2 X2.8 X3.13 X3.14 X3.15 X3.16 XP5.4 XP8.1 XP9.1 XP14.3 | length 239.7
  Top Layer w0.5: 72.75,11.989 83.152,11.989 83.328,12.165 HL3.1@83.328,13.31 ; X3.15@96.132,59.116 X3.16@98.418,59.116
  Top Layer w1: XP14.3@72.75,5.2 72.75,11.989 72.75,14.428 C118.1@72.678,14.5 72.678,18.464 73.264,19.05 82.103,19.05 ; C109.1@82.077,17.678 82.103,17.704 82.103,19.05 ; C110.1@84.668,17.665 84.744,17.741 84.744,19.05 ; v1(92.491,22.403) v1(92.491,21.403) 92.491,19.671 91.87,19.05 84.744,19.05 ; X3.15@96.132,59.116 X3.13@96.132,56.576 X3.14@98.418,56.576 X3.16@98.418,59.116 ; 82.103,19.05 84.744,19.05
  Bottom Layer w0.5: v1(88,36.195) v1(88,45.72) v1(88,55.88) v1(88,66.015) v1(88,76.937) ; 88,88.5 v1(88,76.937) ; 95.833,76.937 95.786,76.937 v1(88,76.937) ; X3.15@96.132,59.116 X3.16@98.418,59.116
  Bottom Layer w1: XP5.4@34.446,94.762 38.762,94.762 39.16,94.364 39.16,91.222 39.746,90.637 R35.2@50.013,90.637 56.032,90.637 ; R29.2@55.982,88.24 55.982,90.586 56.032,90.637 ; X2.8@63.081,92.437 X2.8@62.985,92.533 62.89,92.438 62.89,90.051 ; 88,88.5 74,88.5 71.288,85.788 63.476,85.788 62.89,86.373 62.89,90.051 ; v1@88.065,36.195 v1(88,36.13) 91.87,36.13 92.456,35.544 v1(92.456,20.295) ; C108.1@91.364,67.796 91.425,67.734 XP9.1@94.7,67.734 96.716,67.734 96.901,67.92 ; C107.1@92.1,59.033 96.049,59.033 X3.15@96.132,59.116 ; XP8.1@94.7,77.475 95.2,76.975 95.747,76.975 95.786,76.937 ; 95.833,76.937 95.895,76.937 96.901,75.93 96.901,67.92 ; 97.231,59.411 96.901,59.741 96.901,67.92 ; 56.032,90.637 62.305,90.637 62.89,90.051
  other v1: 92.452,26.035 88.02,86.106
+3.3VC: C5.1 C6.1 C54.1 C55.1 C56.1 C57.1 C58.1 C59.1 C60.1 C65.1 C70.1 C71.1 C72.1 C77.1 C102.1 C103.1 C104.1 C105.1 C106.1 DA21.2 DA21.4 DD3.16 DD4.2 DD4.8 DD6.2 DD6.8 R47.2 R60.2 R61.2 R82.2 R84.2 Sp1.2 | length 194.7
  Top Layer w0.5: 16.084,26.435 16.084,28.985 ; 16.249,29.21 16.631,28.829 18.034,28.829 ; 18.034,28.931 19.542,28.931 ; 19.71,26.34 19.984,26.613 19.984,28.985 ; C58.1@26.479,28.677 26.479,33.413 26.67,33.604 R60.2@26.848,33.782 ; C58.1@26.834,28.677 26.834,27.42 27.75,26.505 27.75,25.569 DD4.8@27.769,25.55 v1(27.769,22.555) ; v1(33.728,22.555) 35.389,24.216 35.389,25.55 C59.1@35.389,31.013 ; C59.1@35.587,31.013 35.587,33.739 R61.2@35.544,33.782 37.897,33.782 39.512,32.167 39.671,32.167 R84.2@40.056,31.782 42.783,31.782 42.866,31.699 ; R82.2@42.866,33.782 42.866,31.699 ; v1(44.12,22.479) 44.062,22.536 44.062,22.749 43.993,22.818 43.993,25.476 44.044,25.425 44.069,25.451 DD6.8@44.069,25.55 44.069,27.469 43.362,28.177 43.262,28.177 42.862,28.577 C70.1@42.862,28.677 42.866,28.681 42.866,31.699 ; v1(49.857,22.454) 51.67,24.266 51.67,25.531 DD6.2@51.689,25.55 51.689,27.051 51.892,27.254 C77.1@51.892,28.575 v1(51.906,28.589) v1(51.906,31.09) 51.906,33.804 C54.1@51.902,33.807 ; 63.8,22.431 63.829,22.403 ; Sp1.2@63.8,27.5 73.101,27.5 ; DD3.16@68.072,52.869 68.118,52.915 DD3.16@68.56,52.915 ; v1(70.96,56.66) 71.017,56.603 71.017,56.39 71.018,56.389 71.018,53.208 70.726,52.915 DD3.16@68.56,52.915 ; R47.2@75.768,27.5 73.101,27.5 ; DD3.16@68.56,52.915 68.594,52.881 68.594,52.158 70.002,50.749 70.002,41.593 70.295,41.3 72.808,41.3 73.101,41.008 73.101,27.5
  Top Layer w0.75: DA21.2@18.034,33.91 18.034,35.679 18.473,36.119 26.231,36.119 26.67,35.679 R60.2@26.67,33.604
  Top Layer w1: 18.034,28.931 18.034,28.829 DA21.4@18.034,27.71 17.359,27.71 16.784,27.135 16.784,26.934 16.494,26.645 DA21.4@19.181,26.645 ; v1(55.626,29.875) v1(55.626,28.575) 55.626,22.989 56.212,22.403 63.829,22.403 64.414,21.817 C106.1@64.414,12.496 64.339,12.421 58.889,12.421 58.303,11.835 C102.1@58.303,9.486 ; 63.8,22.431 Sp1.2@63.8,27.5
  Bottom Layer w0.5: v1@27.788,22.555 v1(33.728,22.555) ; v1(44.12,22.479) 44.145,22.454 v1(49.857,22.454) ; C56.1@49.069,30.455 49.221,30.302 51.613,30.302 51.906,30.595 v1(51.906,31.09) ; C5.1@73.503,56.66 C5.1@73.684,56.479
  Bottom Layer w1: v1@51.892,28.575 v1(55.626,28.575) v1(55.626,29.875) 55.626,31.176 C57.1@55.61,31.191 ; v1(70.96,56.66) C5.1@73.503,56.66
  other v1: 55.548,25.425 19.277,29.743
AGND: C1.2 C9.2 C28.2 C29.1 C30.2 C31.1 C34.2 C35.1 DA1.4 DA1.5 DA4.4 DA4.5 DA5.4 DA9.4 DA12.0 DA12.2 R32.1 R54.1 U1.3 X2.9 XP1.2 XP2.2 | length 96.3
  Top Layer w0.5: DA5.4@3.099,69.977 DA5.4@3.12,69.998 ; DA1.4@4.149,80.848 4.195,80.894 DA1.4@4.195,80.9 ; DA1.5@4.166,75.2 4.176,75.21 4.176,76.081 DA1.5@4.195,76.1 ; XP1.2@8.474,94.7 XP1.2@8.534,94.76 ; 21.006,94.7 21.107,94.801 ; DA9.4@22.508,69.85 22.508,74.625 23.495,74.625 23.495,74.727 23.52,74.727 ; DA4.5@23.505,75.946 DA4.5@23.505,76.137 DA4.5@23.52,76.137
  Top Layer w0.7: 23.093,99.021 60.063,99.021
  Top Layer w0.75: 60.063,99.021 60.503,98.582
  Bottom Layer w0.5: C28.2@4.699,78.537 4.972,78.537 C28.2@5.322,78.187 ; U1.3@15.215,73.679 U1.3@15.234,73.66 ; 23.546,99.085 58.877,99.085 ; v1(23.898,78.537) C34.2@24.601,78.537
  Bottom Layer w0.75: 13.845,70.102 13.945,70.002 DA12.0@17.495,70.002 ; DA9.4@22.508,69.85 DA9.4@22.508,70.002
  Bottom Layer w1: 26.67,98.247 34.315,98.247 34.341,98.273
  Bottom Layer w1.4: 23.647,98.247 26.67,98.247
  other v1: 2.54,67.056 10.16,67.056 22.86,67.056 30.48,67.056 18.085,69.926 16.688,69.977 16.256,76.2 4.547,78.613 9.652,81.661 14.224,81.788 15.748,81.788 9.652,83.312 20.955,91.821 12.7,94.615 4.826,97.536 8.636,97.536 13.31,98.349 11.786,98.374
Boot0: DD2.60 R48.2 XP4.1 | length 11.2
  Top Layer w0.3: DD2.60@48.25,66.55 48.25,67.605 XP4.1@51.918,71.272
  Bottom Layer w0.5: XP4.1@51.918,71.272 54.785,71.272 55.471,70.587 v1@56.623,70.587
  other v1: 56.623,70.485
But_in: DA3.2 X2.6 | length 32.6
  Top Layer w0.5: DA3.2@39.265,85.786 39.265,87.286 39.558,87.579 40.716,87.579 40.967,87.328 41.038,87.328 41.302,87.065 41.302,87.034 41.595,86.741 43.866,86.741 46.112,88.987 65.232,88.987 65.525,89.28 X2.6@65.525,92.533
Button: DD2.61 R8.2 | length 10.9
  Top Layer w0.3: v1(47.244,69.291) 47.34,69.196 47.697,69.196 48.107,68.785 48.107,68.174 47.75,67.817 DD2.61@47.75,66.55
  Bottom Layer w0.3: v1(42.494,73.939) 42.494,72.591 42.67,72.415 44.12,72.415 v1(47.244,69.291)
Data: BK1.2 DD2.16 R57.1 | length 19.2
  Top Layer w0.3: BK1.2@36.5,49.9 37.235,49.9 37.478,49.657 40.779,49.657 40.955,49.833 40.955,56.212 41.13,56.388 44.188,56.388 44.45,56.65 DD2.16@44.45,57.25
  Bottom Layer w0.5: BK1.2@36.5,49.9 38.202,49.9 38.202,49.301 39.675,49.301 R57.1@39.675,49.165
DIR1: DD6.5 DD6.6 R91.1 | length 4.1
  Top Layer w0.5: DD6.6@46.609,25.55 47.244,25.55 DD6.5@47.879,25.55 ; DD6.5@47.701,25.677 R91.1@47.701,28.473
DIR3: DD2.24 DD4.5 DD4.6 R68.1 | length 45.5
  Top Layer w0.3: v1(44.693,51.877) 44.693,53.486 44.869,53.662 49.574,53.662 49.75,53.838 DD2.24@49.75,55.45
  Top Layer w0.5: DD4.6@30.309,25.55 30.944,25.55 DD4.5@31.579,25.55 ; v1(31.039,28.475) R68.1@31.039,28.575 ; DD4.5@31.394,25.645 R68.1@31.394,28.475
  Bottom Layer w0.5: v1(31.039,28.475) 31.039,38.01 31.332,38.303 36.852,38.303 37.144,38.596 37.144,45.046 37.453,45.355 38.497,45.355 44.635,51.493 44.635,51.819 v1(44.693,51.877)
Door: DD2.27 R50.2 | length 48.7
  Top Layer w0.3: DD2.27@51.25,55.45 51.25,49.63 51.426,49.454 52.143,49.454 52.335,49.645 v1(53.188,49.645)
  Bottom Layer w0.5: v1(53.188,49.645) 53.217,49.616 54.834,49.616 54.898,49.552 56.849,49.552 59.385,47.015 59.385,44.702 59.561,44.526 62.509,44.526 65.786,41.25 67.693,41.25 67.869,41.074 67.869,28.083 v1(73.651,22.301)
Down: DD2.28 DD3.15 R62.1 | length 32.4
  Top Layer w0.3: DD2.28@51.75,55.45 51.75,52.22 51.926,52.045 54.256,52.045 54.256,52.106 54.863,52.713 55.437,52.713 v1(55.463,52.739)
  Top Layer w0.5: v1@71.257,50.19 76.207,50.19 76.5,50.483 R62.1@76.5,51.959
  Bottom Layer w0.5: v1(55.463,52.739) 56.318,53.594 62.076,53.594 62.552,54.071 65.372,54.071 v1@67.873,54.071 ; v1@67.786,54.197 71.054,50.929 v1(71.054,50.241)
  other v1: 67.779,54.071
Dw_rl: VT3.3 X3.5 X3.6 | length 13.4
  Top Layer w0.5: VT3.3@88.5,49.012 91.157,46.355 96.071,46.355 X3.5@96.132,46.416 ; X3.6@98.357,46.355 X3.6@98.418,46.416
  Top Layer w1: X3.5@96.071,46.355 X3.6@98.357,46.355
  Bottom Layer w1: X3.5@96.386,46.467 X3.6@98.672,46.467
Enc_1: DD2.50 R28.2 | length 7.9
  Top Layer w0.3: DD2.50@53.25,66.55 53.25,67.855 54.254,68.859 54.254,73.701 R28.2@54.483,73.93
Enc_1_in: VD1.1 X2.4 | length 16.1
  Top Layer w0.5: X2.4@68.065,92.533 68.257,92.341 68.257,91.649 68.572,91.333 80.141,91.333 80.465,91.657 80.465,93.339 80.651,93.525 VD1.1@81.358,93.525
Enc_2: DD2.54 DD2.55 R34.2 | length 14.1
  Top Layer w0.3: DD2.55@50.75,66.55 50.75,67.793 51,67.793 ; v1(51.003,68.529) 51,68.526 51,67.793 ; DD2.54@51.25,66.55 51.25,67.793 51,67.793
  Top Layer w0.5: v1(47.015,72.517) 47.015,73.612 47.308,73.905 R34.2@48.59,73.905
  Bottom Layer w0.3: v1(47.015,72.517) 50.396,72.517 50.597,72.316 50.597,70.498 51.003,70.092 v1(51.003,68.529)
Enc_2_in: VD2.1 X2.2 | length 8.2
  Top Layer w0.5: X2.2@70.605,92.533 77.812,92.533 ; 77.911,92.632 77.911,93.515 VD2.1@77.985,93.589
F_in_rl: VT4.3 X3.7 X3.8 | length 21.3
  Top Layer w0.5: VT4.3@88.5,59.385 88.55,59.435 VT4.3@89.096,59.435 ; VT4.3@89.097,59.385 90.004,59.385 ; 90.004,59.436 90.297,59.143 90.297,51.181 92.583,48.895 96.071,48.895 X3.7@96.132,48.956
  Top Layer w1: X3.7@96.132,48.956 X3.8@98.418,48.956
  Bottom Layer w1: X3.7@96.081,49.007 X3.8@98.367,49.007
F_out_rl: VT6.3 X3.9 X3.10 XP8.2 XP9.2 | length 42.3
  Top Layer w0.5: VT6.3@88.5,69.4 VT6.3@88.55,69.35 ; VT6.3@88.55,69.401 89.814,69.401 ; XP9.2@94.7,64.234 89.99,64.234 89.916,64.16 ; XP8.2@94.7,73.975 94.537,73.812 90.209,73.812 89.916,73.52 89.916,64.16 ; X3.9@96.132,51.496 92.649,51.496 91.694,52.451 91.694,60.401 89.916,62.179 89.916,64.16
  Top Layer w1: X3.9@96.132,51.471 X3.10@98.418,51.471
  Bottom Layer w1: X3.9@96.132,51.496 X3.10@98.418,51.496
Fan_in: DD3.3 R63.1 | length 7.1
  Top Layer w0.5: 74.469,55.448 76.2,57.179 76.2,61.438 R63.1@76.5,61.738
Fan_out: DD2.44 R72.1 | length 29.1
  Top Layer w0.3: DD2.44@55.55,62.75 73.497,62.75 75.235,64.488 75.235,71.808 75.411,71.984 76.481,71.984 R72.1@76.5,71.965
FCLK: DD2.34 R18.2 | length 16.9
  Top Layer w0.3: DD2.34@55.55,57.75 57.119,57.75 ; 57.119,57.717 57.336,57.5 57.336,52.182 57.302,52.149 v1(57.302,51.13)
  Bottom Layer w0.3: v1(57.302,51.13) 60.632,51.13 60.808,50.954 v1(60.808,45.872)
FCS: DD2.26 R5.1 | length 11.3
  Top Layer w0.3: v1(46.126,52.603) 46.126,52.986 46.302,53.162 50.574,53.162 50.75,53.338 DD2.26@50.75,55.45
  Bottom Layer w0.3: v1(46.126,52.603) 46.126,48.733 v1(46.219,48.641)
Fdata: DD2.33 R20.2 | length 7.2
  Top Layer w0.3: DD2.33@55.55,57.25 56.515,56.285 56.515,52.73 v1(56.586,52.66)
  Bottom Layer w0.3: v1@55.44,50.919 55.444,50.922 55.444,51.518 v1(56.586,52.66)
  other v1: 55.458,50.902
G4851: C61.2 C62.2 C63.2 C64.2 DD4.11 DD4.14 DD4.16 DD4.20 VD4.3 | length 15.5
  Top Layer w0.5: C63.2@27.94,10.414 27.94,11.514 29.21,11.514 ; C61.2@28.593,12.985 28.943,13.335 C61.2@29.343,13.335 ; C61.2@29.039,13.639 C61.2@29.343,13.335 ; C61.2@29.21,13.202 C61.2@29.343,13.335 ; DD4.16@31.579,16.45 31.579,14.923 31.674,14.829 VD4.3@31.674,9.514 ; DD4.20@36.659,16.45 DD4.20@36.678,16.431 ; C62.2@37.209,10.744 C62.2@37.211,10.746
  Bottom Layer w0.5: 25.229,14.801 27.611,14.801 v1@29.21,13.202
  other v1: 23.368,2.032 25.4,2.032 27.432,2.032 29.464,2.032 31.496,2.032 33.528,2.032 35.56,2.032 37.592,2.032 29.286,13.329 23.68,14.801
G4852: C73.2 C74.2 C75.2 C76.2 DD6.11 DD6.14 DD6.16 DD6.20 VD5.3 | length 6.4
  Top Layer w0.5: C74.2@44.194,10.414 C74.2@44.594,10.814 ; C73.2@45.339,13.666 v1(45.52,13.485) C73.2@45.466,13.431
  Bottom Layer w0.5: v1(40.665,14.707) 40.723,14.764 40.935,14.764 41.005,14.834 44.171,14.834 v1(45.52,13.485)
  other v1: 40.64,2.032 42.164,2.032 44.196,2.032 46.228,2.032 48.26,2.032 50.292,2.032 52.324,2.032 53.848,2.032